# Altium PCB radxa_cm3s_io_board_V1510.PcbDoc (part 3 of 4)
Units mil, origin at the board's own origin, x right, y up, seen from the top; angles counter-clockwise.
Board outline 6299.61 x 3544.09 mil, 4 copper layers (Top, GND, Power, Bottom), stack 35.4 mil thick; 371 components, 243 nets, 1310 pads, 2024 vias.
Unrouted connection lines stored in the file: 1349.
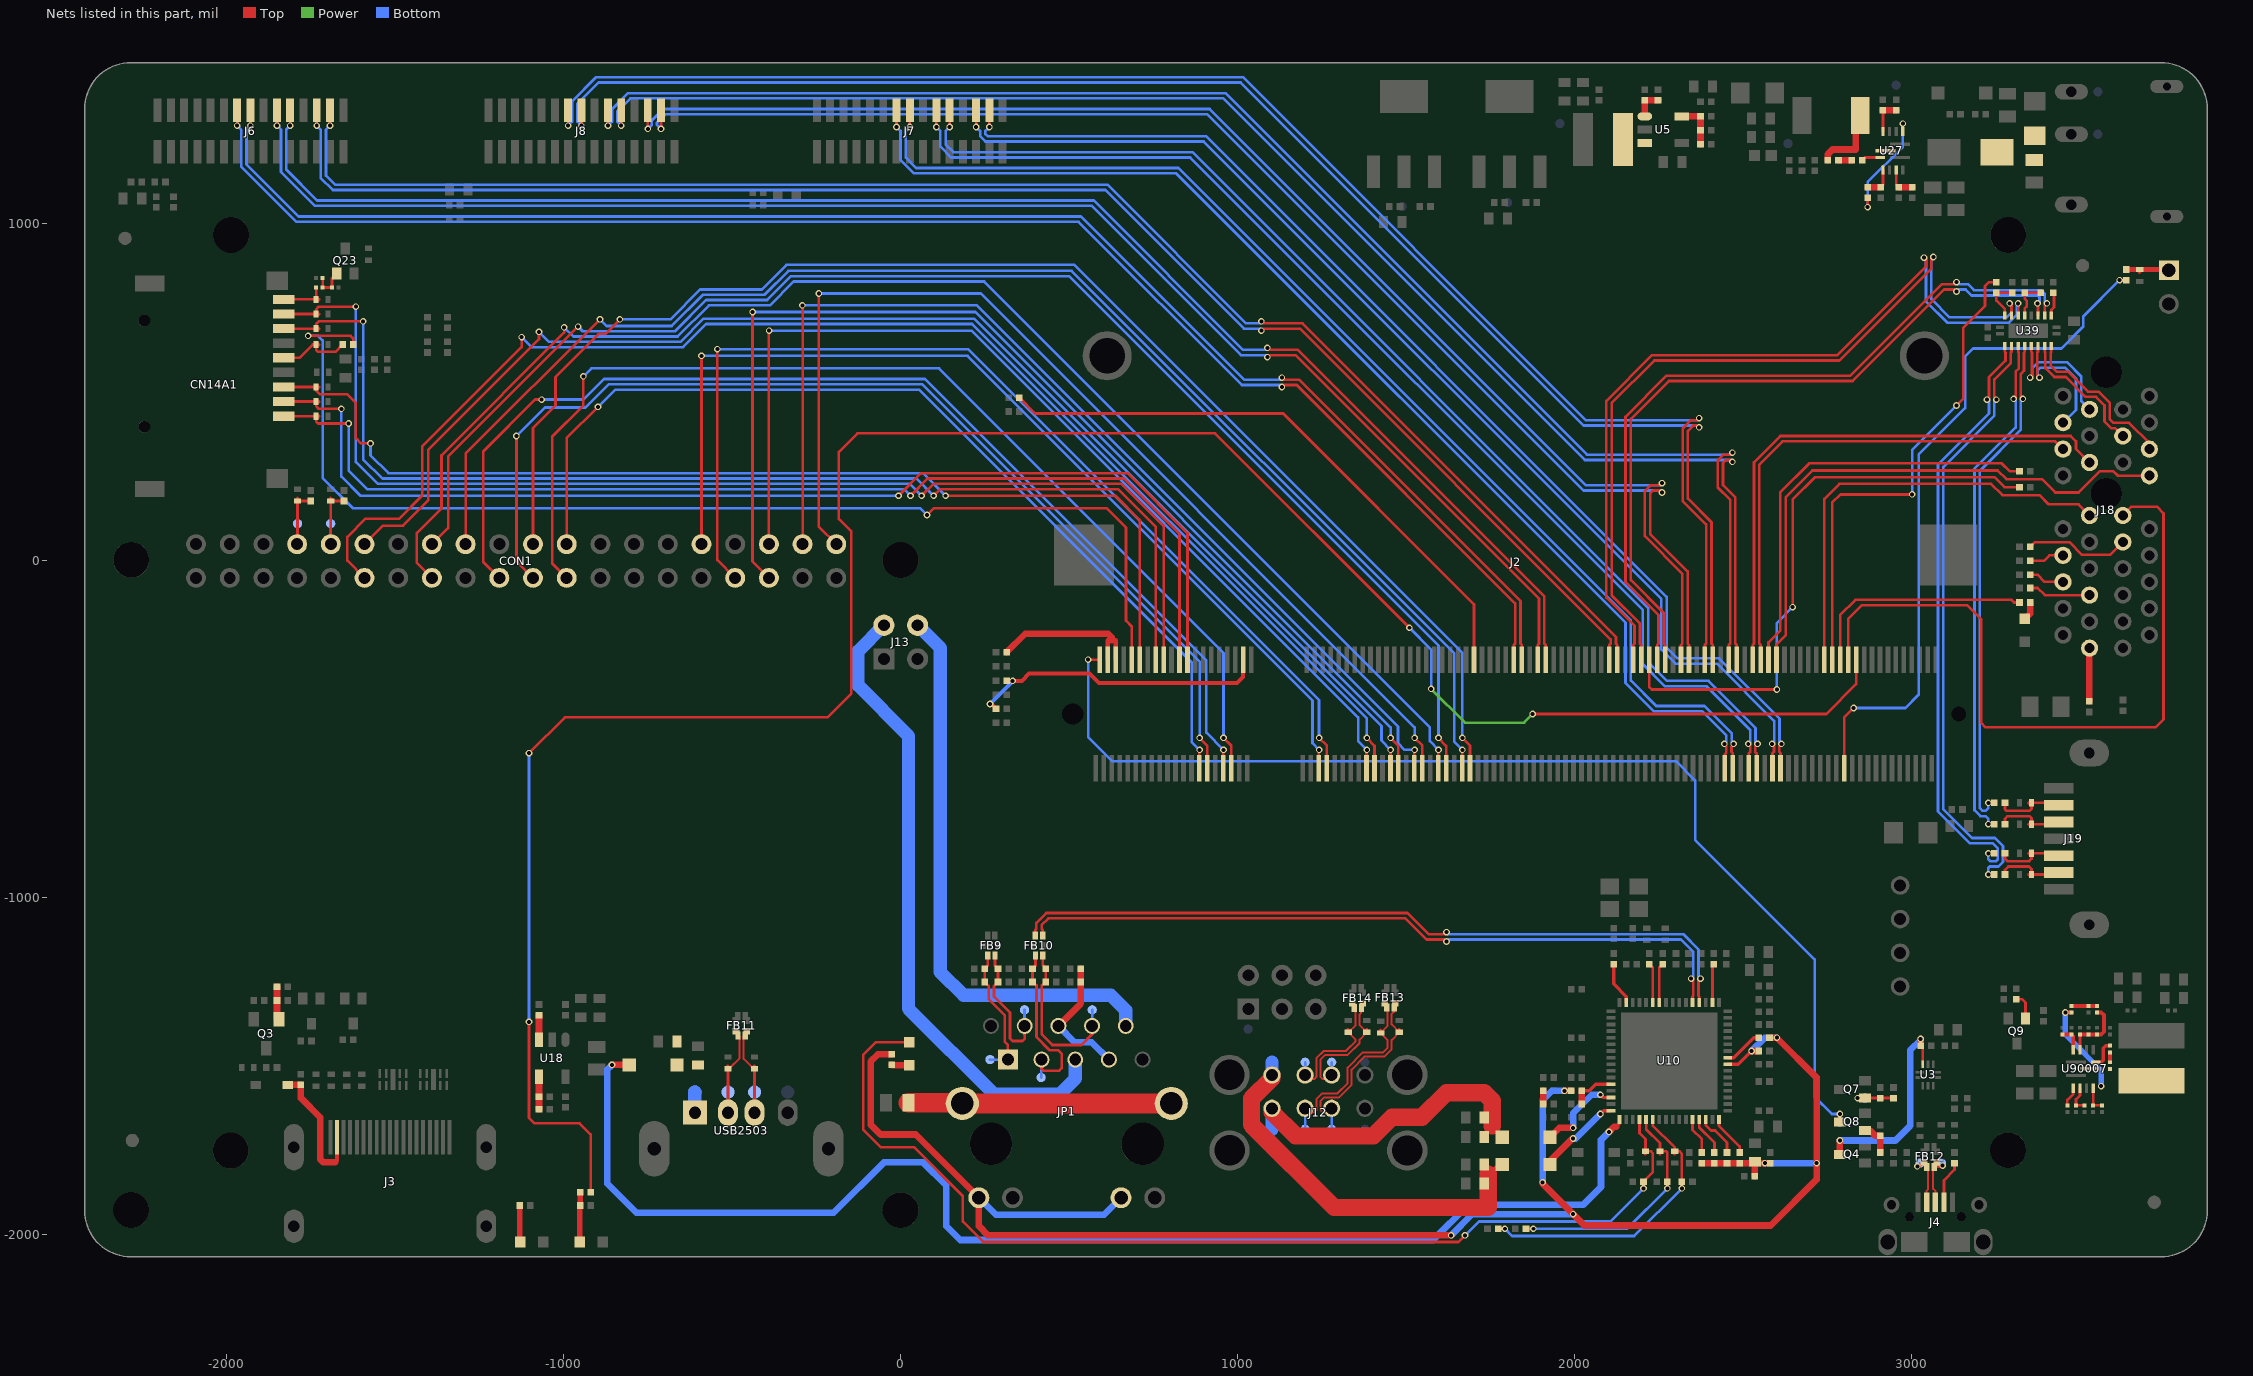
[diagram p5: the nets of this part, all layers, seen from the top]

## Via types
v1: diameter 19.68, hole 11.81, Top to Bottom, 2024 vias

## Nets (pads, with @x,y where several pads share a name; then routed paths per layer and width w, separated by ;. In a path a pad name is that pad's centre, name@x,y a point inside that pad or via, vN(x,y) a via of type N, cw(c..) or ccw(c..) an arc to the next point about the centre after c; other vN are vias at no path point) (continued)
LED_ON/FFO: J2.180 R90631.1 | length 6804.9
  Top w7.87: v1(-1102.36,-1370.08) -1102.36,-1655.51 -1086.61,-1671.26 -952.76,-1671.26 -919.29,-1704.72 R90631.1@-919.29,-1875.98 ; v1(-1102.36,-572.83) -996.06,-466.54 -216.54,-466.54 -145.67,-395.67 -145.67,84.65 -183.07,122.05 -183.07,320.87 -127.95,375.98 933.07,375.98 v1(1509.84,-200.79) ; v1(1875.98,-456.69) 2747.24,-456.69 2835.83,-368.11 J2.180@2835.83,-295.28
  Power w7.87: v1(1574.8,-381.89) 1675.2,-482.28 1850.39,-482.28 v1(1875.98,-456.69)
  Bottom w7.87: v1(-1102.36,-1370.08) v1(-1102.36,-572.83) ; v1(1509.84,-200.79) 1574.8,-265.75 v1(1574.8,-381.89)
MIPI_CSI_RX_CLK0N: J2.149 J7.8 | length 3519
  Top w7.87: v1(27.56,1285.43) J7.8@27.56,1334.65 ; J2.149@2469.69,-618.11 2469.69,-573.06 2466.14,-569.51 2466.14,-566.93 2466.14,-553.15 2472.44,-546.85 v1(2472.44,-545.28)
  Bottom w7.87: v1(27.56,1285.43) 15.75,1273.62 15.75,1194.21 46.57,1163.39 824.8,1163.39 2167.32,-179.13 2167.32,-357.65 2242.74,-433.07 2385.83,-433.07 2466.54,-513.78 2466.54,-539.37 v1(2472.44,-545.28)
MIPI_CSI_RX_CLK0P: J2.147 J7.7 | length 3519
  Top w7.87: v1(-11.81,1285.43) J7.7@-11.81,1334.65 ; v1(2444.88,-545.28) 2450.39,-550.79 2450.39,-553.15 2450.39,-572.05 2446.06,-576.38 J2.147@2446.06,-618.11
  Bottom w7.87: v1(-11.81,1285.43) 0,1273.62 0,1187.68 40.05,1147.64 818.28,1147.64 2151.58,-185.66 2151.58,-364.17 2236.22,-448.82 2379.3,-448.82 2450.79,-520.3 2450.79,-539.37 v1(2444.88,-545.28)
MIPI_CSI_RX_CLK1N: J2.144 J8.8 | length 4646.2
  Top w7.87: v1(-946.85,1289.37) J8.8@-946.85,1334.65 ; v1(2370.08,393.7) 2364.17,399.61 2352.98,399.61 2336.61,383.24 2336.61,182.4 2406.69,112.32 2406.69,-248.03 2410.63,-251.97 J2.144@2410.63,-295.28
  Bottom w7.87: v1(-946.85,1289.37) -958.66,1301.18 -958.66,1355.01 -896.34,1417.32 1009.23,1417.32 2026.94,399.61 2364.17,399.61 v1(2370.08,393.7)
MIPI_CSI_RX_CLK1P: J2.142 J8.7 | length 4698.4
  Top w7.87: v1(-986.22,1289.37) J8.7@-986.22,1334.65 ; v1(2370.08,421.26) 2364.17,415.35 2346.46,415.35 2320.87,389.76 2320.87,175.87 2390.94,105.79 2390.94,-248.03 2387.01,-251.97 J2.142@2387.01,-295.28
  Bottom w7.87: v1(-986.22,1289.37) -974.41,1301.18 -974.41,1361.53 -902.87,1433.07 1015.75,1433.07 2033.46,415.35 2364.17,415.35 v1(2370.08,421.26)
MIPI_CSI_RX_D0N: J2.161 J7.14 | length 3391.9
  Top w7.87: v1(263.78,1285.43) J7.14@263.78,1334.65 ; J2.161@2611.42,-618.11 2611.42,-572.44 2607.87,-568.9 2607.87,-553.15 2614.17,-546.85 v1(2614.17,-545.28)
  Bottom w7.87: v1(263.78,1285.43) 251.97,1273.62 251.97,1264.4 258.49,1257.87 906.22,1257.87 2273.62,-109.53 2273.62,-259.23 2305.74,-291.34 2429.13,-291.34 2608.27,-470.47 2608.27,-539.37 v1(2614.17,-545.28)
MIPI_CSI_RX_D0P: J2.159 J7.13 | length 3391.9
  Top w7.87: v1(224.41,1285.43) J7.13@224.41,1334.65 ; v1(2586.61,-545.28) 2592.13,-550.79 2592.13,-568.72 2587.8,-573.05 J2.159@2587.8,-618.11
  Bottom w7.87: v1(224.41,1285.43) 236.22,1273.62 236.22,1257.87 251.97,1242.13 899.7,1242.13 2257.87,-116.05 2257.87,-265.75 2299.21,-307.09 2422.61,-307.09 2592.52,-477 2592.52,-539.37 v1(2586.61,-545.28)
MIPI_CSI_RX_D1N: J2.155 J7.11 | length 3447.6
  Top w7.87: v1(145.67,1285.43) J7.11@145.67,1334.65 ; J2.155@2540.55,-618.11 2540.55,-574.02 2537.01,-570.47 2537.01,-553.15 2543.31,-546.85 v1(2543.31,-545.28)
  Bottom w7.87: v1(145.67,1285.43) 133.86,1273.62 133.86,1233.58 156.8,1210.63 866.14,1210.63 2218.5,-141.73 2218.5,-302.53 2274.24,-358.27 2397.64,-358.27 2537.4,-498.03 2537.4,-539.37 v1(2543.31,-545.28)
MIPI_CSI_RX_D1P: J2.153 J7.10 | length 3447.6
  Top w7.87: v1(106.3,1285.43) J7.10@106.3,1334.65 ; v1(2515.75,-545.28) 2521.26,-550.79 2521.26,-569.78 2516.93,-574.11 J2.153@2516.93,-618.11
  Bottom w7.87: v1(106.3,1285.43) 118.11,1273.62 118.11,1227.05 150.28,1194.88 859.62,1194.88 2202.76,-148.26 2202.76,-309.06 2267.72,-374.02 2391.11,-374.02 2521.65,-504.55 2521.65,-539.37 v1(2515.75,-545.28)
MIPI_CSI_RX_D2N: J2.138 J8.14 | length 4118.4
  Top w7.87: v1(-710.63,1279.53) J8.14@-710.63,1334.65 ; v1(2259.84,200.79) 2253.94,206.69 2232.9,206.69 2224.41,198.2 2224.41,77.39 2335.83,-34.03 2335.83,-248.03 2339.76,-251.97 J2.138@2339.76,-295.28
  Bottom w7.87: v1(-710.63,1279.53) -722.44,1291.34 -722.44,1297.92 -697.53,1322.83 910.8,1322.83 2026.94,206.69 2253.94,206.69 v1(2259.84,200.79)
MIPI_CSI_RX_D2P: J2.136 J8.13 | length 4170.6
  Top w7.87: v1(-750,1279.53) J8.13@-750,1334.65 ; v1(2259.84,228.35) 2253.94,222.44 2226.38,222.44 2208.66,204.72 2208.66,70.87 2320.08,-40.55 2320.08,-248.03 2316.14,-251.97 J2.136@2316.14,-295.28
  Bottom w7.87: v1(-750,1279.53) -738.19,1291.34 -738.19,1304.44 -704.05,1338.58 917.32,1338.58 2033.46,222.44 2253.94,222.44 v1(2259.84,228.35)
MIPI_CSI_RX_D3N: J2.150 J8.11 | length 4498.4
  Top w7.87: v1(-828.74,1289.37) J8.11@-828.74,1334.65 ; v1(2468.5,291.34) 2462.6,297.24 2449.44,297.24 2440.94,288.75 2440.94,222.27 2477.56,185.66 2477.56,-248.03 2481.5,-251.97 J2.150@2481.5,-295.28
  Bottom w7.87: v1(-828.74,1289.37) -840.55,1301.18 -840.55,1331.38 -801.86,1370.08 958.04,1370.08 2030.88,297.24 2462.6,297.24 v1(2468.5,291.34)
MIPI_CSI_RX_D3P: J2.148 J8.10 | length 4550.6
  Top w7.87: v1(-868.11,1289.37) J8.10@-868.11,1334.65 ; J2.148@2457.87,-295.28 2457.87,-251.97 2461.81,-248.03 2461.81,179.13 2425.2,215.75 2425.2,295.28 2442.91,312.99 2462.6,312.99 v1(2468.5,318.9)
  Bottom w7.87: v1(-868.11,1289.37) -856.3,1301.18 -856.3,1337.91 -808.38,1385.83 964.57,1385.83 2037.4,312.99 2462.6,312.99 v1(2468.5,318.9)
MIPI_DSI_TX0_CLKN/LVDS_TX0_CLKN: J2.102 J6.11 | length 4633
  Top w7.87: v1(-1811.02,1289.37) J6.11@-1811.02,1334.65 ; v1(1088.58,629.92) 1094.49,624.02 1179.13,624.02 1910.63,-107.48 1910.63,-248.03 1914.57,-251.97 J2.102@1914.57,-295.28
  Bottom w7.87: v1(-1811.02,1289.37) -1822.83,1277.56 -1822.83,1158.77 -1730.99,1066.93 574.13,1066.93 1017.04,624.02 1082.68,624.02 v1(1088.58,629.92)
MIPI_DSI_TX0_CLKP/LVDS_TX0_CLKP: J2.100 J6.10 | length 4633
  Top w7.87: v1(-1850.39,1289.37) J6.10@-1850.39,1334.65 ; v1(1088.58,602.36) 1094.49,608.27 1172.61,608.27 1894.88,-114 1894.88,-248.03 1890.94,-251.97 J2.100@1890.94,-295.28
  Bottom w7.87: v1(-1850.39,1289.37) -1838.58,1277.56 -1838.58,1152.25 -1737.51,1051.18 567.6,1051.18 1010.52,608.27 1082.68,608.27 v1(1088.58,602.36)
MIPI_DSI_TX0_D0N/LVDS_TX0_D0N: J2.96 J6.8 | length 4662.6
  Top w7.87: v1(-1929.13,1289.37) J6.8@-1929.13,1334.65 ; v1(1131.89,541.34) 1137.8,535.43 1182.4,535.43 1839.76,-121.94 1839.76,-248.03 1843.7,-251.97 J2.96@1843.7,-295.28
  Bottom w7.87: v1(-1929.13,1289.37) -1940.94,1277.56 -1940.94,1174.52 -1786.11,1019.69 535.43,1019.69 1019.69,535.43 1125.98,535.43 v1(1131.89,541.34)
MIPI_DSI_TX0_D0P/LVDS_TX0_D0P: J2.94 J6.7 | length 4662.6
  Top w7.87: v1(-1968.5,1289.37) J6.7@-1968.5,1334.65 ; v1(1131.89,513.78) 1137.8,519.69 1175.87,519.69 1824.02,-128.46 1824.02,-213.5 1824.02,-248.03 1820.08,-251.97 J2.94@1820.08,-295.28
  Bottom w7.87: v1(-1968.5,1289.37) -1956.69,1277.56 -1956.69,1168 -1792.63,1003.94 528.91,1003.94 1013.16,519.69 1125.98,519.69 v1(1131.89,513.78)
MIPI_DSI_TX0_D1N/LVDS_TX0_D1N: J2.120 J6.14 | length 4667.3
  Top w7.87: v1(-1692.91,1289.37) J6.14@-1692.91,1334.65 ; v1(1070.87,708.66) 1076.77,702.76 1192.91,702.76 2123.23,-228.35 2123.23,-248.03 2127.17,-251.97 J2.120@2127.17,-295.28
  Bottom w7.87: v1(-1692.91,1289.37) -1704.72,1277.56 -1704.72,1141.06 -1677.84,1114.17 614.17,1114.17 1025.59,702.76 1064.96,702.76 v1(1070.87,708.66)
MIPI_DSI_TX0_D1P/LVDS_TX0_D1P: J2.118 J6.13 | length 4666.8
  Top w7.87: v1(-1732.28,1289.37) J6.13@-1732.28,1334.65 ; v1(1070.87,681.1) 1076.77,687.01 1185.04,687.01 2107.48,-235.43 2107.48,-248.03 2103.54,-251.97 J2.118@2103.54,-295.28
  Bottom w7.87: v1(-1732.28,1289.37) -1720.47,1277.56 -1720.47,1134.53 -1684.36,1098.43 607.65,1098.43 1019.07,687.01 1064.96,687.01 v1(1070.87,681.1)
N17810979: J18.A1 R167.1 | length 158.4
  Top w19.68: R167.1@3527.56,-419.29 3527.56,-262.6 J18.A1@3528.74,-261.42
N17814312: J18.B9 R171.2 | length 311.7
  Top w7.87: R171.2@3352.36,39.37 3366.14,53.15 3468.5,53.15 3505.91,15.75 3589.37,15.75 J18.B9@3627.17,53.54
N17814521: J18.A6 R169.1 | length 106.4
  Top w7.87: R169.1@3352.36,-43.31 3374.02,-43.31 3395.28,-64.57 J18.A6@3450,-64.57
N17814522: J18.A8 R170.1 | length 104.3
  Top w7.87: R170.1@3352.36,-1.97 3393.31,-1.97 3409.45,14.17 J18.A8@3450,14.17
N17814531: J18.A5 R168.1 | length 185.2
  Top w7.87: R168.1@3352.36,-82.68 3374.41,-82.68 3395.67,-103.94 J18.A5@3528.74,-103.94
N17977115: J2.4 J2.6 R3.1 | length 485.9
  Top w12.8: J2.4@615.35,-295.28 615.35,-238.19 626.87,-238.19 638.98,-238.19 J2.6@638.98,-295.28
  Top w19.68: R3.1@314.96,-273.62 370.08,-218.5 616.14,-218.5 626.87,-229.24 626.87,-238.19
N17977380: J2.128 R10.1 | length 1758.5
  Top w7.87: J2.128@2221.65,-295.28 2221.65,-375.98 2229.53,-383.86 v1(2600.39,-383.86) ; v1(2647.64,-139.76) 2647.64,179.13 2714.57,246.06 3246.06,246.06 3275.59,216.54 R10.1@3320.87,216.54
  Bottom w7.87: v1(2600.39,-383.86) 2600.39,-187.01 v1(2647.64,-139.76)
N17977385: J2.158 R11.1 | length 1266.5
  Top w7.87: J2.158@2575.98,-295.28 2575.98,-244.09 2610.24,-209.84 2610.24,200.79 2696.85,287.4 3267.72,287.4 3291.34,263.78 R11.1@3320.87,263.78
N17977800: R175.2 R176.1 U39.8 | length 125
  Top w7.87: U39.8@3277.17,725.98 3277.17,744.49 3251.97,769.69 R175.2@3251.97,793.31 R176.1@3299.21,793.31
N17977866: R172.2 U39.1 | length 71.6
  Top w7.87: U39.1@3414.96,725.98 3414.96,742.13 3423.23,750.39 3423.23,775.59 3423.23,791.34 R172.2@3421.26,793.31
N17978284: C165.2 D51.2 J19.2 | length 204.2
  Top w7.87: C165.2@3277.56,-720.47 3277.56,-740.16 3281.5,-744.09 3350.39,-744.09 3356.3,-738.19 D51.2@3356.3,-720.47 3431.1,-720.47 3431.1,-721.26 J19.2@3437.01,-727.17
N17978288: C167.2 D49.2 J19.5 | length 200.4
  Top w7.87: C167.2@3277.56,-870.08 3277.56,-885.83 3285.43,-893.7 3348.43,-893.7 3356.3,-885.83 D49.2@3356.3,-870.08 3429.92,-870.08 J19.5@3437.01,-877.17
N17978290: C168.2 D48.2 J19.6 | length 198.8
  Top w7.87: C168.2@3277.56,-933.07 3277.56,-919.29 3287.4,-909.45 3348.43,-909.45 3356.3,-917.32 D48.2@3356.3,-933.07 3403.54,-933.07 3409.45,-927.17 J19.6@3437.01,-927.17
N17980001: Q3.1 R16.1 R17.2 | length 102.4
  Top w19.68: R16.1@-1850.39,-1265.75 R17.2@-1850.39,-1307.09 -1850.39,-1362.2 Q3.1@-1844.49,-1362.2
N17985743: J4.4 R20.1 | length 129.2
  Top w7.87: J4.4@3096.46,-1905.51 3096.46,-1840.55 3127.95,-1809.06 R20.1@3127.95,-1789.37
N17985828: FB12.4 J4.2 P17.1 R18.1 | length 172.7
  Top w5.91: R18.1@3037.4,-1787.4 3037.4,-1789.73 3039.78,-1792.11 3048.8,-1801.13 3048.8,-1868.52 3045.28,-1872.05 J4.2@3045.28,-1905.51
  Top w7.87: v1(3017.72,-1799.21) 3023.62,-1799.21 3035.43,-1787.4 R18.1@3037.4,-1787.4 ; R18.1@3039.78,-1792.11 3045.67,-1797.99 FB12.4@3045.67,-1800.39
  Bottom w5.91: v1(3017.72,-1799.21) 3017.83,-1799.07 3018.68,-1798.22 P17.1@3018.68,-1798.01
  Bottom w7.87: P17.1@3018.68,-1798.01 3025.59,-1791.1 P17.1@3025.59,-1789.37
N17986310: Q4.3 R21.1 U3.10 | length 615.8
  Top w7.87: R21.1@3027.56,-1440.94 3033.51,-1446.9 U3.10@3033.51,-1495.76
  Top w19.68: Q4.3@2787.4,-1763.78 v1(2787.4,-1722.44) ; R21.1@3027.56,-1440.94 v1(3027.56,-1421.26)
  Bottom w19.68: v1(2787.4,-1722.44) 2952.76,-1722.44 2996.06,-1679.13 2996.06,-1454.72 3027.56,-1423.23 v1(3027.56,-1421.26)
N17989296: C166.2 D50.2 J19.3 | length 203.5
  Top w7.87: C166.2@3277.56,-783.46 3277.56,-767.72 3285.43,-759.84 3350.39,-759.84 3356.3,-765.75 D50.2@3356.3,-783.46 3425.2,-783.46 3425.2,-779.53 3427.56,-777.17 J19.3@3437.01,-777.17
N18008894: CON1.8 D6.2 P23.1 R41.1 | length 229.3
  Top w7.87: CON1.8@-1790.55,47.24 -1789.37,48.43 D6.2@-1789.37,175.2 R41.1@-1750,175.2
  Bottom w7.87: CON1.8@-1790.55,47.24 -1789.37,48.43 P23.1@-1789.37,108.27
N18008895: CON1.10 D5.2 P22.1 R42.1 | length 228.7
  Top w7.87: CON1.10@-1690.55,47.24 -1690.94,47.64 D5.2@-1690.94,175.2 R42.1@-1651.57,175.2
  Bottom w7.87: P22.1@-1690.94,108.27 -1690.94,47.64 CON1.10@-1690.55,47.24
N18011953: Q8.1 R45.1 R48.1 | length 101
  Top w19.68: Q8.1@2862.2,-1692.91 2877.95,-1692.91 2893.7,-1708.66 R48.1@2907.48,-1708.66 R45.1@2907.48,-1757.87
N18012238: P19.1 Q7.1 R44.2 R47.1 | length 128
  Top w7.87: v1(2840.55,-1596.46) Q7.1@2862.2,-1596.46 R44.2@2907.48,-1596.46 R47.1@2946.85,-1596.46
  Bottom w7.87: v1(2840.55,-1596.46) P19.1@2862.2,-1596.46
N18013857: C23.2 R34.2 R36.1 U5.5 | length 137.8
  Top w19.68: U5.5@2318.9,1316.93 R36.1@2374.02,1316.93 R34.2@2374.02,1275.59 C23.2@2374.02,1234.25
N18013908: C27.1 R35.2 U5.1 | length 86.6
  Top w19.68: U5.1@2208.66,1316.93 C27.1@2208.66,1364.17 R35.2@2248.03,1364.17
N18013924: L1.1 U5.3
N18034361: R173.2 R174.2 U39.5 | length 119.3
  Top w7.87: U39.5@3336.22,725.98 3336.22,746.06 3342.13,751.97 3342.13,769.69 3336.61,775.2 R173.2@3336.61,793.31 R174.2@3383.86,793.31
N18049058: D17.2 FB14.3 J12.7 R68.1 TP11.1 | length 414.1
  Top w5.91: J12.7@1279.53,-1528.35 1279.53,-1540.16 1252.76,-1540.16 1246.06,-1533.46 1246.06,-1482.76 1260.32,-1468.5 1326.77,-1468.5 1362.2,-1433.07 1362.2,-1423.23 D17.2@1383.86,-1401.57 1362.2,-1379.92 1362.2,-1354.33 1362.2,-1348.43 1366.14,-1344.49 1366.14,-1330.71 FB14.3@1367.86,-1328.99 ; FB14.3@1368.11,-1328.74 FB14.3@1367.86,-1328.99 ; FB14.3@1368.11,-1326.77 1367.86,-1327.02 FB14.3@1367.86,-1328.99
  Top w7.87: FB14.3@1368.11,-1326.77 1368.11,-1318.9 R68.1@1372.05,-1314.96
  Bottom w7.87: J12.7@1279.53,-1528.35 TP11.1@1279.53,-1490.16
N18049078: D15.1 FB14.2 J12.6 R67.1 TP9.1 | length 429.7
  Top w5.91: J12.6@1200.79,-1528.35 1200.79,-1540.16 1227.56,-1540.16 1234.25,-1533.46 1234.25,-1477.87 1255.43,-1456.69 1321.88,-1456.69 1350.39,-1428.18 1350.39,-1423.23 D15.1@1328.74,-1401.57 1350.39,-1379.92 1350.39,-1326.78 R67.1@1345.47,-1321.85
  Top w7.87: R67.1@1340.55,-1314.96 R67.1@1340.74,-1315.15 ; R67.1@1345.47,-1321.85 1345.47,-1319.88 R67.1@1340.74,-1315.15 ; FB14.2@1346.46,-1328.74 1346.46,-1320.87 R67.1@1340.74,-1315.15
  Bottom w7.87: J12.6@1200.79,-1528.35 TP9.1@1200.79,-1490.16
N18049108: D14.1 FB13.4 J12.2 R66.1 TP8.1 | length 598.6
  Top w5.91: J12.2@1200.79,-1626.77 1200.79,-1638.58 1227.56,-1638.58 1234.25,-1631.89 1234.25,-1600.39 1251.97,-1582.68 1296.77,-1582.68 1326.77,-1552.67 1326.77,-1505.91 1372.05,-1460.63 1432.09,-1460.63 1445.87,-1446.85 1445.87,-1424.21 D14.1@1425.2,-1403.54 1425.2,-1402.56 1445.87,-1381.89 1445.87,-1329.33 FB13.4@1443.6,-1327.07 ; R66.1@1437.01,-1314.96 1443.6,-1321.56 FB13.4@1443.6,-1327.07 ; FB13.4@1443.31,-1326.77 FB13.4@1443.6,-1327.07
  Top w7.87: FB13.4@1443.31,-1327.95 FB13.4@1443.31,-1326.77
  Bottom w7.87: TP8.1@1200.79,-1688.98 J12.2@1200.79,-1626.77
N18049144: D16.2 FB13.1 J12.3 R71.1 TP10.1 | length 599.8
  Top w5.91: J12.3@1279.53,-1626.77 1279.53,-1638.58 1252.76,-1638.58 1246.06,-1631.89 1246.06,-1605.29 1256.86,-1594.49 1301.66,-1594.49 1338.58,-1557.56 1338.58,-1511.81 1377.95,-1472.44 1436.98,-1472.44 1457.68,-1451.74 1457.68,-1424.21 D16.2@1480.32,-1401.57 1480.32,-1400.59 1457.68,-1377.95 1457.68,-1360.24 1457.68,-1346.46 1464.57,-1339.57 FB13.1@1464.57,-1328.74 ; FB13.1@1464.96,-1327.95 1464.57,-1328.35 FB13.1@1464.57,-1328.74 ; R71.1@1468.5,-1314.96 1464.57,-1318.9 FB13.1@1464.57,-1328.74
  Bottom w7.87: TP10.1@1279.53,-1688.98 J12.3@1279.53,-1626.77
N18057742: R62.1 U10.63 | length 129.4
  Top w9.84: R62.1@2116.14,-1198.82 2116.14,-1257.87 2153.54,-1295.28 U10.63@2153.55,-1312.7
N18058505: FB8.1 R73.1 | length 39.4
  Top w19.68: FB8.1@1907.48,-1614.17 R73.1@1907.48,-1574.8
N18061020: R61.2 U10.59 | length 118
  Top w7.87: R61.2@2222.44,-1198.82 2232.29,-1208.66 U10.59@2232.29,-1312.7
N18061046: R63.2 U10.58 | length 118
  Top w7.87: U10.58@2251.97,-1312.7 2251.97,-1208.66 R63.2@2261.81,-1198.82
N18073861: R69.1 U10.50 | length 115.5
  Top w7.87: U10.50@2409.45,-1312.7 2409.45,-1202.76 R69.1@2413.39,-1198.82
N18074230: R70.1 U10.41 | length 116.7
  Top w9.84: U10.41@2455.02,-1476.38 2472.44,-1476.38 2531.5,-1417.32 R70.1@2547.24,-1417.32
N18074692: C71.1 R72.2 U10.12 | length 133.8
  Top w9.84: R72.2@2021.65,-1574.8 2043.31,-1574.8 2062.99,-1555.12 U10.12@2107.98,-1555.12
  Top w19.68: C71.1@2021.65,-1614.17 R72.2@2021.65,-1574.8
N18075467: R76.1 U10.29 | length 116.9
  Top w7.87: U10.29@2370.08,-1659.74 2370.08,-1683.07 2415.35,-1728.35 R76.1@2415.35,-1757.87
N18075468: R74.1 U10.28 | length 109.5
  Top w7.87: U10.28@2350.4,-1659.74 2350.4,-1690.95 2377.95,-1718.5 R74.1@2377.95,-1757.87
N18075469: R78.1 U10.32 | length 123.4
  Top w7.87: U10.32@2429.14,-1659.74 2429.14,-1679.14 2490.16,-1740.16 R78.1@2490.16,-1757.87
N18075470: R77.1 U10.30 | length 131.1
  Top w7.87: U10.30@2389.77,-1659.74 2389.77,-1677.17 2405.51,-1692.91 2417.32,-1692.91 2452.76,-1728.35 R77.1@2452.76,-1757.87
N18076360: JP1.15 JP1.16 R157.1 | length 780.7
  Top w59.06: R157.1@23.62,-1610.24 181.5,-1610.24 JP1.15@183.47,-1612.2 JP1.16@803.54,-1612.2
N18080425: LED1.1 R79.2 | length 51.4
  Top w19.68: R79.2@-25.59,-1498.03 -24.86,-1498.76 LED1.1@25.54,-1498.76
N18082809: C75.1 JP1.4 JP1.7 R83.1 | length 388.8
  Top w19.68: JP1.4@468.5,-1382.28 535.43,-1315.35 C75.1@535.43,-1251.97 R83.1@535.43,-1212.6
  Bottom w19.68: JP1.4@468.5,-1382.28 517.32,-1431.1 567.32,-1431.1 JP1.7@618.5,-1482.28
N18095598: J2.38 R4.1 R5.1 | length 900.9
  Top w11.81: v1(265.75,-427.17) 269.69,-427.17 R5.1@283.46,-440.94 ; R4.1@314.96,-358.27 v1(332.68,-358.27) 360.24,-358.27 381.89,-336.61 561.02,-336.61 588.58,-364.17 999.21,-364.17 1016.93,-346.46 J2.38@1016.93,-295.28
  Bottom w11.81: v1(265.75,-427.17) 332.68,-360.24 v1(332.68,-358.27)
N18117463: C143.1 R155.2 U27.6 | length 102.4
  Top w9.84: U27.6@2915.35,1271.66 C143.1@2915.35,1334.65
  Top w19.68: C143.1@2915.35,1334.65 R155.2@2954.72,1334.65
N18118100: C144.1 R156.2 U27.9 | length 93
  Top w9.84: C144.1@2909.45,1106.3 2909.45,1108.27 2915.35,1114.17 U27.9@2915.35,1157.48
  Top w19.68: R156.2@2870.08,1106.3 C144.1@2909.45,1106.3
N18118104: C129.2 L12.1 U27.7 | length 212.2
  Top w19.68: C129.2@2751.97,1187.01 2751.97,1204.72 2765.75,1218.5 2834.65,1218.5 2834.65,1305.12 L12.1@2848.43,1318.9
N18118110: R149.1 R152.2 U27.11 | length 93.8
  Top w7.87: U27.11@2954.72,1157.48 2954.72,1114.18 R152.2@2962.6,1106.3
  Top w19.68: R152.2@2962.6,1106.3 R149.1@3001.97,1106.3
N18118116: R147.1 U27.8 | length 56.4
  Top w9.84: R147.1@2854.33,1187.01 2862.2,1194.88 U27.8@2907.48,1194.88
N18118118: C129.1 R147.2 | length 39.4
  Top w19.68: C129.1@2783.46,1187.01 R147.2@2822.83,1187.01
N18118148: R156.1 U27.3 | length 342.4
  Top w7.87: v1(2870.08,1047.24) R156.1@2870.08,1074.8 ; U27.3@2974.41,1271.66 v1(2974.41,1295.28)
  Bottom w7.87: v1(2870.08,1047.24) 2870.08,1122.05 2974.41,1226.38 v1(2974.41,1295.28)
N18128626: R113.2 R114.1 U18.4 | length 98.4
  Top w7.87: R113.2@-1072.83,-1594.49 R113.2@-1072.83,-1592.52
  Top w19.68: R114.1@-1072.83,-1629.92 -1072.83,-1594.49 U18.4@-1072.83,-1533.47
N18128974: R115.1 U18.3 | length 72.8
  Top w19.68: U18.3@-1072.83,-1423.23 R115.1@-1072.83,-1350.39
N18129786: Q9.1 R107.1 | length 78.9